# Altium PCB SolderingStation - Using Mux for PUP.PcbDoc (part 2 of 2)
Units mm, origin at the board's own origin, x right, y up, seen from the top; angles counter-clockwise.
Board outline 138.15 x 60.81 mm, 2 copper layers (Top Layer, Bottom Layer), stack 1.671 mm thick; 201 components, 119 nets, 586 pads, 492 vias.
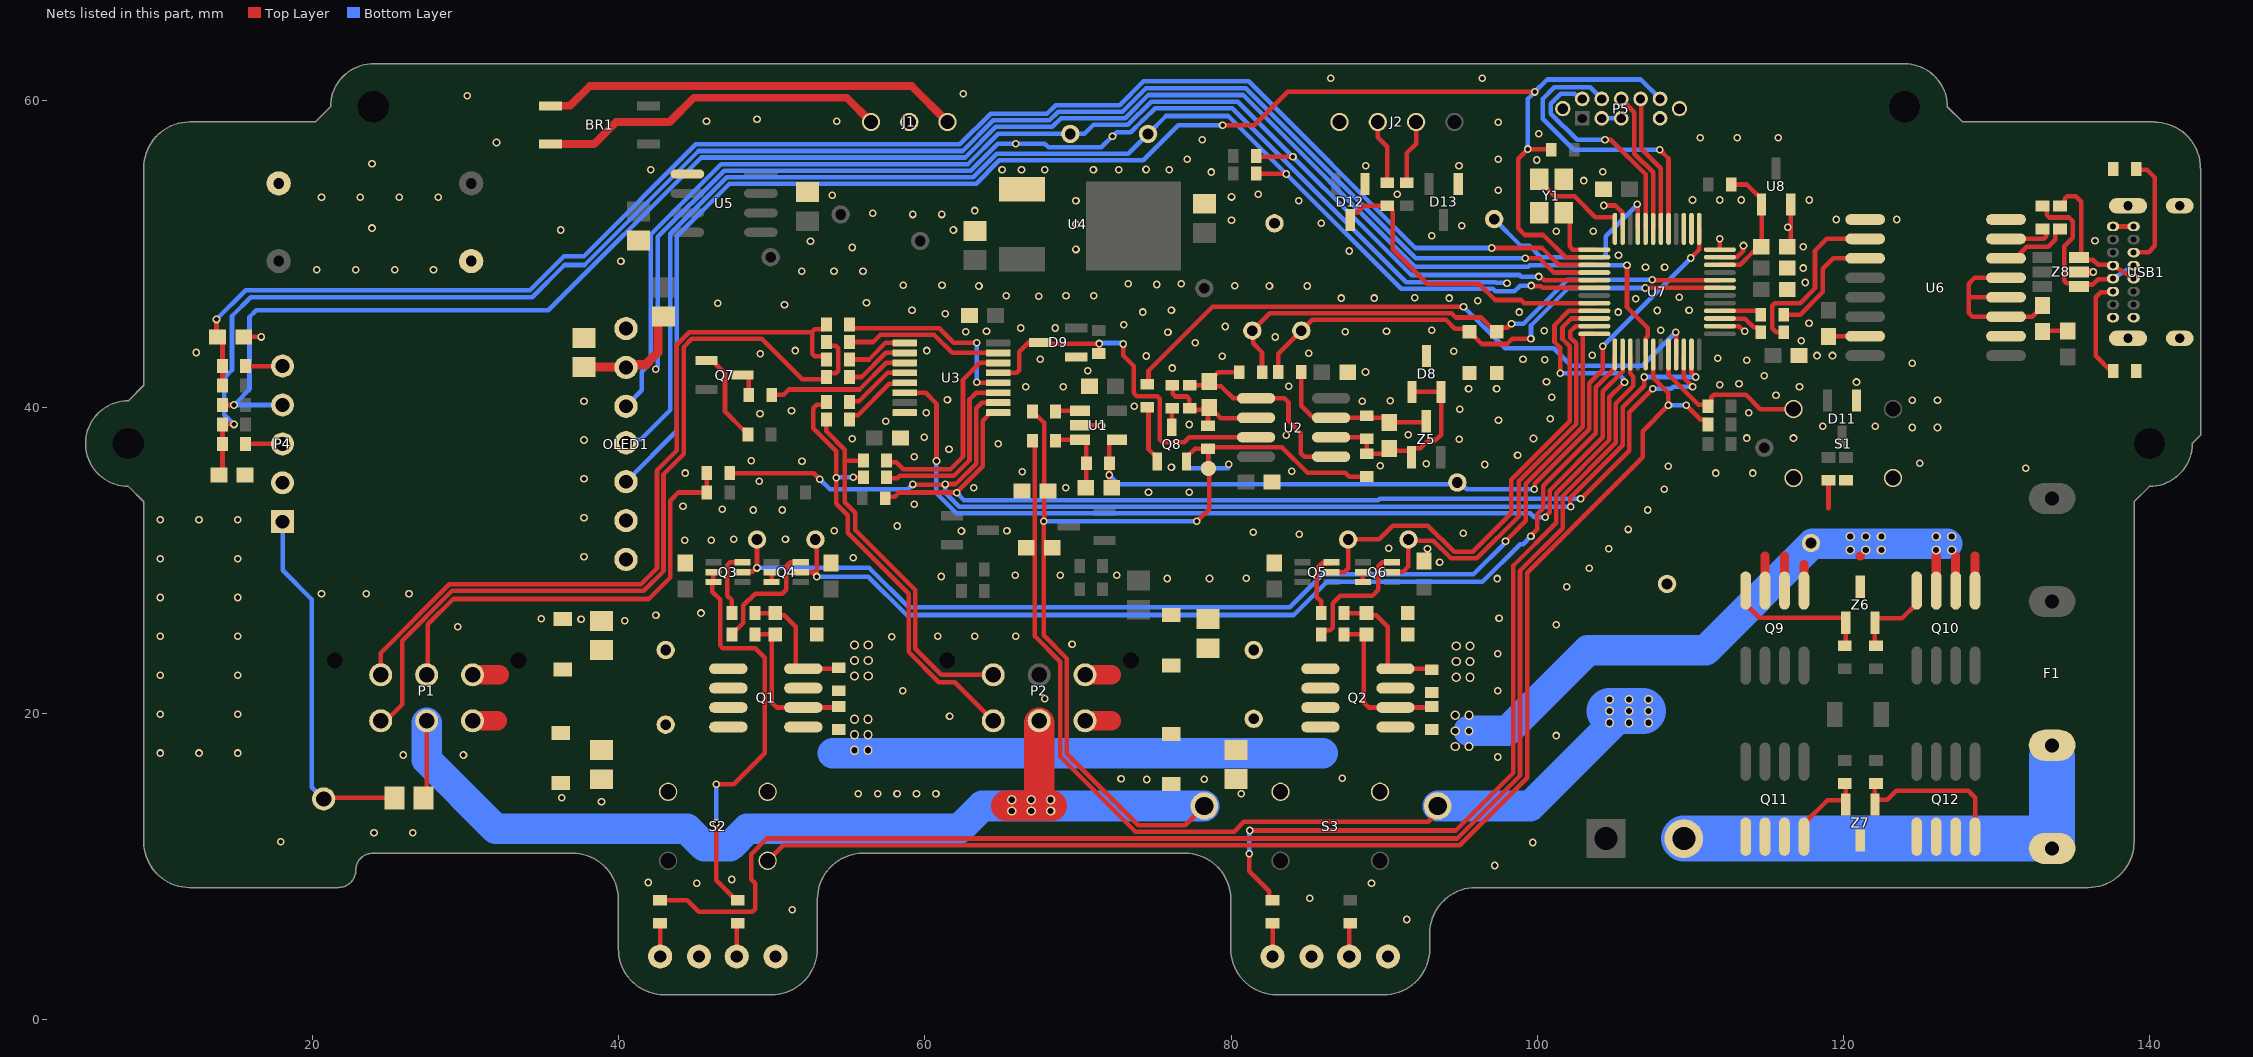
[diagram p2: the nets of this part, all layers, seen from the top]

## Via types
v1: diameter 0.5, hole 0.3, Top Layer to Bottom Layer, tented both sides, 424 vias
v2: diameter 0.6, hole 0.4, Top Layer to Bottom Layer, tented both sides, 67 vias
v3: diameter 0.75, hole 0.3, Top Layer to Bottom Layer, tented both sides, 1 vias

## Nets (pads, with @x,y where several pads share a name; then routed paths per layer and width w, separated by ;. In a path a pad name is that pad's centre, name@x,y a point inside that pad or via, vN(x,y) a via of type N, cw(c..) or ccw(c..) an arc to the next point about the centre after c; other vN are vias at no path point) (continued)
CH1_SEL: R59.1 U7.33 | length 63.3
  Top Layer w0.3: v1(81.19,10.822) 81.19,9.679 82.497,8.372 82.497,7.893 R59.1@82.601,7.789 ; v1(81.215,12.346) 94.677,12.346 98.437,16.105 98.437,29.653 101.223,32.44 101.223,33.038 101.225,33.04 101.225,34.372 104.704,37.851 104.704,40.645 v1(105.689,41.631) ; v1(101.498,42.215) 101.498,43.869 101.117,44.25 101.117,45.354 102.049,46.285 U7.33@103.766,46.285
  Bottom Layer w0.3: v1(81.19,10.822) 81.19,12.32 v1(81.215,12.346) ; v1(101.498,42.215) 105.258,42.215 105.651,41.821 105.651,41.669 v1(105.689,41.631)
CH1a_DRVn: D1a.1 Q5.5 U7.34 | length 32.1
  Top Layer w0.3: Q5.5@86.56,29.211 87.388,29.211 87.642,29.465 87.642,31.37 89.674,31.37 90.563,32.259 92.849,32.259 94.565,30.543 95.771,30.543 98.298,33.071 98.298,35.263 102.102,39.068 102.102,43.982 101.642,44.442 101.642,45.211 102.216,45.785 U7.34@103.716,45.785
CH1a_Htr+: C5.1 D3.K H1a.1 P2.4 Q2.5 Q2.6 | length 1.7
  Top Layer w1.27: P2.4@70.461,22.509 72.183,22.509
CH1a_Thm+: P2.6 R26.2 R31.2 | length 24.4
  Top Layer w0.3: R26.2@53.567,39.194 53.567,38.41 54.741,37.236 ; 54.762,37.214 54.762,36.5 54.762,33.77 55.448,33.084 55.448,31.972 59.367,28.054 59.367,24.212 61.07,22.509 P2.6@64.461,22.509 ; 54.792,36.5 R31.2@55.994,36.5
CH1b_DRVn: D1b.1 Q6.5 U7.35 | length 27.4
  Top Layer w0.3: Q6.5@90.497,29.211 90.524,29.239 91.225,29.239 91.579,29.592 91.579,31.268 93.205,31.268 94.357,30.116 96.046,30.116 98.781,32.851 98.781,35.142 102.529,38.891 102.529,44.159 102.159,44.529 102.159,44.933 102.512,45.285 U7.35@103.716,45.285 ; D1b.1@91.325,31.37 D1b.1@91.427,31.268
CH1b_Htr+: C6.1 D4.K H1b.1 P2.1 Q2.7 Q2.8 | length 1.7
  Top Layer w1.27: P2.1@70.461,19.509 72.183,19.509
CH1b_Thm+: P2.3 R27.2 R32.2 | length 28.7
  Top Layer w0.3: R27.2@53.567,40.337 53.391,40.16 52.943,40.16 52.705,39.923 52.705,38.608 54.204,37.109 v1(54.204,35.382) ; v1@54.21,35.382 54.21,33.687 54.966,32.931 54.966,31.788 58.94,27.814 58.94,24.004 60.908,22.036 61.934,22.036 P2.3@64.461,19.509 ; v1(55.321,35.408) R32.2@55.994,35.408
  Bottom Layer w0.3: v1(54.204,35.382) 54.229,35.408 v1(55.321,35.408)
CH2_ACT: Q3.2 Q3.3 R9.2 | length 26.7
  Top Layer w0.3: Q3.2@46.179,29.211 46.179,28.591 46.113,28.525 46.113,27.941 46.621,27.433 46.621,24.434 46.796,24.258 48.907,24.258 49.542,23.623 49.542,17.4 47.51,15.368 v1(46.367,15.368) ; v1(46.367,12.828) 46.367,9.28 46.38,9.267 46.38,9.085 47.676,7.789 R9.2@47.776,7.789
  Bottom Layer w0.3: v1(46.367,12.828) v1(46.367,15.368)
CH2_BTN: R51.1 S2.2 U7.42 | length 86.9
  Top Layer w0.3: S2.2@49.726,10.367 50.75,11.392 94.931,11.392 99.326,15.786 99.326,29.168 106.883,36.725 106.883,38.43 v1(108.56,40.107) 108.56,40.919 107.566,41.913 U7.42@107.566,43.435 ; v1(109.728,40.107) 110.671,39.163 110.949,39.163 111.149,38.963 R51.1@111.149,38.863
  Bottom Layer w0.3: v1(108.56,40.107) v1(109.728,40.107)
CH2_ID: P1.5 R12.1 R33.1 | length 29.3
  Top Layer w0.3: P1.5@27.456,22.509 27.537,22.591 27.537,25.811 29.188,27.462 41.95,27.462 43.353,28.865 43.353,33.879 43.893,34.418 R12.1@45.744,34.418 R33.1@45.744,35.688
CH2_SB: D12.3 R56.1 U7.32 | length 20.7
  Top Layer w0.3: D12.3@87.781,52.269 87.781,52.544 87.931,52.694 88.206,52.694 88.664,53.152 90.294,53.152 90.494,52.952 90.494,52.846 90.563,52.777 90.563,50.293 92.796,48.06 96.181,48.06 97.25,46.991 98.945,46.991 99.151,46.785 U7.32@103.766,46.785
CH2_SEL: R63.2 U7.39 | length 93.3
  Top Layer w0.3: R63.2@42.696,7.789 44.486,7.789 45.236,7.039 48.731,7.039 48.907,7.215 48.907,8.891 48.653,9.145 48.653,10.796 49.675,11.819 94.754,11.819 98.864,15.928 98.864,29.31 101.65,32.096 101.65,32.862 101.652,32.864 101.652,34.193 105.131,37.671 105.131,40.234 106.274,41.377 106.274,41.986 106.066,42.194 U7.39@106.066,43.435
CH2a_DRVn: D2a.1 Q3.5 U7.36 | length 71.3
  Top Layer w0.3: Q3.5@48.079,29.211 48.129,29.261 48.758,29.261 48.987,29.491 v1(49.034,29.491) D2a.1@49.034,31.345 D2a.1@49.034,31.624 ; v1(97.917,31.242) 99.238,32.563 99.238,34.995 102.956,38.714 102.956,42.259 102.966,42.268 102.966,44.785 U7.36@103.716,44.785
  Bottom Layer w0.3: v1(49.034,29.491) 56.374,29.491 58.94,26.925 83.832,26.925 85.985,29.079 95.83,29.079 v1@97.955,31.204
CH2a_Htr+: C3.1 D1.K H2a.1 P1.4 Q1.5 Q1.6 | length 1.7
  Top Layer w1.27: P1.4@30.471,22.514 32.193,22.514
CH2a_Thm+: P1.6 R22.2 R28.2 | length 49.8
  Top Layer w0.3: P1.6@24.456,22.509 24.456,23.937 28.936,28.418 41.454,28.418 42.499,29.463 42.499,35.87 43.79,37.16 43.79,44.069 44.604,44.883 52.594,44.883 52.629,44.918 ; R22.2@53.567,43.105 R22.2@53.567,43.105 53.367,43.307 52.805,43.307 52.629,43.483 52.629,44.918 ; R28.2@53.567,45.391 53.567,45.294 53.367,45.094 52.805,45.094 52.629,44.918
CH2b_DRVn: D2b.1 Q4.5 U7.37 | length 67.7
  Top Layer w0.3: Q4.5@51.939,29.261 Q4.5@51.889,29.211 52.651,29.211 v1(52.934,28.928) 52.934,31.255 D2b.1@52.844,31.345 ; v1(99.579,31.555) 99.579,31.609 99.99,32.02 99.99,33.013 100.371,33.394 100.371,34.862 103.81,38.301 103.81,41.301 105.045,42.535 105.066,42.535 U7.37@105.066,43.435
  Bottom Layer w0.3: v1(52.934,28.928) 56.302,28.928 58.813,26.417 84.086,26.417 86.245,28.576 96.41,28.576 98.883,31.049 99.073,31.049 v1(99.579,31.555)
CH2b_Htr+: C4.1 D2.K H2b.1 P1.1 Q1.7 Q1.8 | length 1.7
  Top Layer w1.27: P1.1@30.344,19.514 32.066,19.514
CH2b_Thm+: P1.3 R24.2 R30.2 | length 54.2
  Top Layer w0.3: P1.3@24.456,19.509 24.78,19.509 25.16,19.889 25.173,19.889 25.857,20.574 25.857,24.735 29.113,27.991 41.631,27.991 42.926,29.286 42.926,35.611 44.247,36.932 44.247,43.922 44.774,44.45 49.352,44.45 51.992,41.81 R24.2@53.567,41.81 ; R30.2@53.567,44.248 53.567,44.214 53.767,44.014 54.169,44.014 54.345,43.838 54.345,42.372 54.169,42.196 53.767,42.196 53.568,41.998 R24.2@53.568,41.961
COM: C9.1 C11.1 L2.2 NT1.2 P1.2 P2.2 Q8.2 R11.2 R16.2 R18.2 R29.1 | length 132.3
  Top Layer w0.254: R16.2@78.117,13.819 R16.2@78.244,13.946
  Top Layer w0.3: L2.2@27.063,14.54 27.251,14.352 27.456,14.557 P1.2@27.456,19.382 ; R11.2@67.283,39.475 67.779,38.979 67.779,32.615 67.753,32.59 v1(67.753,32.531) 67.753,25.097 69.273,23.577 69.273,17.354 73.93,12.697 76.994,12.697 R16.2@78.117,13.819 ; Q8.2@77.074,36.442 77.074,36.717 77.635,37.277 R29.1@78.484,37.277 78.591,37.384 83.316,37.384 84.988,35.712 87.44,35.712 87.706,35.446 R18.2@88.492,35.446 ; v1(77.761,32.531) 78.556,33.326 NT1.2@78.556,35.984 ; NT1.2@78.511,35.992 R29.1@78.511,37.277
  Top Layer w2: 65.307,13.971 68.287,13.971 ; 67.461,14.366 P2.2@67.461,19.382
  Bottom Layer w0.3: v1(67.753,32.531) v1(77.761,32.531)
  Bottom Layer w2: P1.2@27.456,19.382 27.456,16.959 31.968,12.447 44.462,12.447 45.602,11.307 47.259,11.307 48.399,12.447 62.242,12.447 63.74,13.946 R16.2@78.244,13.946
  other v2: 65.671,13.616 66.941,13.616 68.211,13.616 65.671,14.352 66.941,14.352 68.211,14.352
EARTH: ER.1 L2.1 P4.1 | length 23.9
  Top Layer w0.3: ER.1@20.725,14.405 20.799,14.479 L2.1@25.351,14.479
  Bottom Layer w0.3: P4.1@18.046,32.513 18.046,29.338 19.951,27.433 19.951,15.179 ER.1@20.725,14.405
EXTAL: U7.24 Y1.3 | length 6.8
  Top Layer w0.3: Y1.3@100.116,54.885 100.116,54.785 101.126,53.775 102.424,53.775 103.791,52.408 105.044,52.408 105.066,52.387 U7.24@105.066,51.635
EXTAL32: U7.15
GAIN: R37.2 U7.45 | length 41
  Top Layer w0.3: R37.2@74.6,41.492 74.6,42.367 78.781,46.549 v1@95.164,46.549 ; v1(109.042,44.882) 109.066,44.858 U7.45@109.066,43.435
  Bottom Layer w0.3: v1(95.174,46.558) 97.892,43.84 101.067,43.84 102.21,42.697 106.858,42.697 v1(109.042,44.882)
GND: C1.2 C2.2 C3.2 C4.2 C5.2 C6.2 C7.2 C8.2 C10.2 C11.2 C12.2 C13.2 C14.2 C15.2 C16.1 C17.2 C18.1 C19.1 C20.1 C21.1 C24.1 C25.1 C26.1 C27.1 C28.1 C29.1 C30.1 C31.1 C32.1 D1.A D2.A D3.A D4.A D5.K D6.K D7.A D8.3 D9.1 D10.A D11.1 D12.1 D13.1 D14.K D15.K Gnd.1 J1.2 J2.4 NT1.1 OLED1.1 OLED1.2 OLED1.7 P4.2 P5.0 P5.3 P5.5 P5.9 R39.1 S1.1 S1.1b S2.1 S2.1b S3.1 S3.1b U1.2 U3.8 U4.1 U5.5 U6.9 U6.15 U7.2 U7.11 U7.12 U7.23 U8.2 Y1.2 Y1.4 | length 95.2
  Top Layer w0.254: C2.2@92.595,29.934 92.823,30.163 v1(92.823,30.741)
  Top Layer w0.3: C27.1@15.506,44.578 v1(16.649,44.578) ; C3.2@38.744,26.151 C3.2@38.874,26.021 ; U1.2@70.135,38.813 v1@71.526,38.813 ; C10.2@70.753,41.351 70.77,41.351 C10.2@71.12,41.001 ; v1(104.343,53.162) 105.093,53.162 105.566,52.689 U7.23@105.566,51.635 ; C32.1@104.412,53.891 C32.1@104.412,54.073 ; P5.9@108.014,58.853 P5.9@108.012,58.855 P5.9@108.036,58.855 ; P5.0@109.282,59.289 P5.0@109.282,59.49 ; U7.2@111.866,45.285 U7.2@111.916,45.285 113.153,45.285 113.44,44.998 113.511,44.998 v1(113.55,44.959) ; U7.11@111.916,49.785 113.031,49.785 113.432,50.186 113.432,50.516 v1(113.462,50.546) ; U7.12@111.916,50.285 v1(111.916,51) ; C29.1@116.317,50.473 116.544,50.7 U8.2@116.544,53.235 U8.2@116.544,53.285 ; C25.1@117.079,43.361 C25.1@117.245,43.527 ; C24.1@119.011,44.631 U6.15@121.408,44.631 U6.15@121.889,44.631
  Top Layer w0.6: P4.2@17.802,35.053 P4.2@18.046,35.053
  Bottom Layer w0.3: v1(42.417,42.47) 42.417,42.524 42.557,42.664 42.557,51.12 46.88,55.443 62.987,55.443 64.748,57.204 v1(65.937,57.204) 67.825,57.204 68.067,56.962 71.527,56.962 v1(72.249,57.685) 72.269,57.685 72.525,57.94 73.433,57.94 74.209,58.716 74.235,58.716 75.044,59.525 80.061,59.525 91.432,48.154 97.275,48.154 97.316,48.112 97.999,48.112 v1(98.016,48.095) ; 77.394,35.992 NT1.1@78.511,35.992 ; NT1.1@78.511,35.789 NT1.1@78.511,35.992 ; 78.511,36.855 NT1.1@78.511,35.992 ; 79.807,35.992 79.629,35.992 NT1.1@78.511,35.992 ; P5.3@104.202,58.855 P5.5@105.472,58.855 ; P5.9@108.012,58.855 P5.9@108.036,58.855
  other v1: 91.464,6.531 51.332,7.166 85.127,7.926 45.097,8.891 89.166,8.891 41.934,8.944 47.383,9.145 97.217,10.06 99.707,11.558 17.931,11.611 24.015,12.193 26.555,12.193 38.874,14.225 36.283,14.479 55.638,14.733 56.908,14.733 58.178,14.733 59.448,14.733 60.718,14.733 80.657,14.733 74.484,15.673 78.244,15.699 72.808,15.724 87.261,15.749 97.421,17.146 25.92,17.273 29.857,17.273 10.045,17.4 12.585,17.4 15.125,17.4 101.231,18.543 61.607,19.813 10.045,19.94 15.125,19.94 67.83,20.956 58.559,21.464 97.421,21.464 10.045,22.48 15.125,22.48 97.421,23.877 69.608,24.512 57.836,24.994 10.045,25.02 15.125,25.02 60.845,25.02 63.258,25.02 65.925,25.02 29.476,25.655 101.231,25.782 40.398,26.036 34.937,26.163 37.539,26.151 97.497,26.214 42.43,26.392 45.376,26.544 10.045,27.56 15.125,27.56 20.586,27.814 23.507,27.814 26.301,27.814 101.916,28.272 75.819,28.804 78.588,28.804 97.377,28.798 80.975,28.829 61.062,28.931 65.899,29.008 68.846,29.008 72.529,29.008 103.39,29.465 93.611,29.872 10.045,30.1 15.125,30.1 55.321,30.15 37.731,30.227 104.66,30.735 90.283,30.786 44.323,31.293 46.05,31.293 47.51,31.37 50.888,31.37 84.455,31.699 95.148,31.75 81.432,31.826 62.382,31.902 54.077,31.928 65.354,31.928 105.93,32.005 58.191,32.233 10.045,32.64 12.585,32.64 15.125,32.64 37.731,32.767 48.78,33.275 50.685,33.275 107.2,33.275 46.761,33.325 44.196,33.528 59.309,33.655 74.6,34.442 77.267,34.442 108.28,34.62 63.195,34.722 69.19,34.722 49.174,35.154 37.731,35.307 44.335,35.688 111.645,35.688 114.058,35.688 66.345,35.763 83.947,35.814 131.888,35.995 76.098,36.068 108.541,36.125 89.738,36.17 96.571,36.246 79.832,36.271 92.735,36.297 124.98,36.323 51.968,36.449 48.666,36.5 59.309,36.754 98.704,36.855 61.57,37.236 64.795,37.592 37.731,37.847 94.894,37.897 55.245,37.922 99.746,37.948 113.677,37.974 116.725,37.974 59.944,38.024 83.591,38.151 91.567,38.202 124.484,38.662 126.135,38.662 118.63,38.736 122.059,38.736 71.526,38.786 77.267,38.862 57.429,39.065 97.46,39.141 100.838,39.243 49.225,39.573 60.083,39.625 113.804,39.625 51.283,39.751 94.92,39.853 73.66,40.056 37.731,40.387 88.57,40.386 90.399,40.411 124.484,40.44 126.135,40.44 61.468,40.488 100.94,40.64 115.582,40.768 95.504,41.199 97.333,41.199 66.573,41.326 69.037,41.326 117.118,41.329 83.769,41.351 111.911,41.456 113.169,41.53 120.839,41.632 100.596,41.657 114.82,42.038 88.773,42.291 70.637,42.367 76.149,42.545 124.484,42.853 113.677,43.054 100.482,43.078 67.539,43.129 99.06,43.129 111.772,43.181 79.426,43.307 74.447,43.332 118.261,43.361 119.277,43.361 103.581,43.383 49.251,43.485 85.065,43.51 12.403,43.562 94.539,43.637 51.537,43.688 60.108,43.689 77.648,44.196 117.233,44.324 82.88,44.577 75.87,44.882 62.662,44.907 87.452,44.907 64.02,44.959 90.145,44.958 100.457,44.983 93.091,45.009 108.052,45.009 66.255,45.163 68.504,45.161 79.604,45.263 72.974,45.364 117.741,45.467 61.316,46.102 74.219,46.203 98.806,46.203 105.283,46.203 107.823,46.304 59.157,46.33 76.098,46.33 109.906,46.33 50.825,46.685 46.457,46.787 56.185,46.812 96.114,46.939 106.426,47.066 87.198,47.117 89.339,47.118 94.234,47.117 91.999,47.142 109.271,47.168 67.437,47.244 65.303,47.269 69.215,47.269 71.018,47.269 63.525,47.904 82.499,47.904 84.963,47.904 80.239,47.93 58.572,47.955 61.112,47.955 75.133,48.006 73.279,48.057 76.733,48.057 117.487,48.134 51.961,48.87 54.061,48.87 55.956,48.87 20.281,48.973 22.821,48.973 25.361,48.973 27.901,48.973 117.372,49.076 107.061,49.124 108.306,49.124 40.144,49.531 105.295,49.912 87.706,50.19 69.862,50.293 55.257,50.42 117.372,50.473 52.527,50.825 93.103,51.182 101.243,51.489 103.656,51.489 36.207,51.563 61.861,51.563 23.888,51.69 116.356,51.743 95.058,51.843 69.862,51.944 85.89,52.006 80.022,52.198 119.531,52.251 123.468,52.251 59.194,52.579 61.099,52.579 56.591,52.654 63.258,52.833 69.862,53.468 84.417,53.48 110.133,53.521 111.911,53.521 113.308,53.521 117.753,53.521 20.586,53.697 23.126,53.697 25.666,53.697 28.206,53.697 80.022,53.722 53.95,53.823 81.774,53.9 90.842,53.9 97.433,54.156 103.021,54.791 78.701,55.348 104.279,55.373 42.085,55.489 65.036,55.5 66.306,55.5 67.83,55.5 71.005,55.5 72.656,55.5 74.441,55.512 75.958,55.5 88.785,55.754 94.881,55.754 23.888,55.881 99.961,56.135 77.126,56.186 97.433,56.188 32.016,57.278 78.117,57.456 110.641,57.585 113.054,57.585 115.721,57.585 100.1,57.839 97.433,58.601 45.732,58.675 54.241,58.675 49.034,58.802 30.111,60.326 62.496,60.453 86.499,61.469 96.405,61.469
Gnd_USB: C22.1 C23.1 R52.2 R55.2 U6.2 U6.8 USB1.A1 USB1.A12 USB1.B1 USB1.B12 USB1.SH Z8.2 | length 4.7
  Top Layer w0.3: C23.1@132.7,44.631 C23.1@132.993,44.924 ; C23.1@132.993,44.877 133.089,44.973 C22.1@134.644,44.973 ; USB1.A12@137.596,51.792 USB1.B1@138.945,51.792
  Top Layer w0.508: C23.1@132.747,44.631 C23.1@132.993,44.877 ; Z8.2@135.374,48.822 v1(136.295,48.822)
  other v1: 136.422,50.854
HIGH_G_AMP: D7.K HGA.1 R17.1 U7.7 | length 33.6
  Top Layer w0.3: R17.1@83.07,42.291 83.07,43.471 85.293,45.695 94.031,45.695 94.615,45.11 95.375,45.11 96.366,44.12 98.019,44.12 98.35,44.451 v1(99.58,44.451) ; v1(107.036,47.777) 107.044,47.785 U7.7@111.866,47.785
  Bottom Layer w0.3: v1(99.58,44.451) v1(99.58,44.451) 99.582,45.326 102.033,47.777 v1(107.036,47.777)
HIGH_G_IN: C35.2 R25.2 R34.2 U2.1 U2.5 | length 15.1
  Top Layer w0.3: R34.2@77.292,41.415 78.31,41.415 C35.2@78.562,41.668 ; R25.2@80.53,42.266 79.16,42.266 78.962,42.068 78.912,42.068 78.562,41.718 C35.2@78.562,41.668 ; U2.5@86.53,36.757 84.782,36.757 84.557,36.982 84.557,38.286 83.744,39.099 83.744,40.31 83.486,40.567 U2.1@81.63,40.567 80.133,40.567 79.336,41.364 78.866,41.364 C35.2@78.562,41.668
LOW_G_AMP: D10.K LGA.1 R25.1 U7.8 | length 35.9
  Top Layer w0.3: R25.1@82.03,42.266 82.017,42.279 82.017,43.586 81.443,44.16 81.443,44.926 LGA.1@81.384,44.985 82.52,46.122 94.391,46.122 94.666,45.847 96.341,45.847 96.973,45.215 97.048,45.215 97.214,45.05 97.214,44.915 97.466,45.168 98.032,45.168 98.306,45.442 v1(98.308,45.442) ; v1(107.493,48.312) 107.52,48.285 111.016,48.285 U7.8@111.866,48.285
  Bottom Layer w0.3: v1(98.308,45.442) 99.094,45.442 101.964,48.312 v1(107.493,48.312)
LOW_G_IN: D9.3 R21.1 U2.3 U3.13 | length 24.2
  Top Layer w0.3: U3.13@64.784,42.236 65.991,42.236 66.167,42.412 66.167,43.62 66.782,44.235 ; D9.3@67.532,44.221 67.608,44.145 v1(71.374,44.145) 71.374,43.522 R21.1@71.349,43.497 ; v1(72.949,44.12) 72.949,43.368 73.635,42.682 73.635,40.919 73.838,40.716 75.161,40.716 75.336,40.54 75.336,37.88 75.512,37.704 76.942,37.704 77.265,38.027 U2.3@81.63,38.027
  Bottom Layer w0.3: v1(71.374,44.145) 71.412,44.183 72.831,44.183 72.895,44.12 v1(72.949,44.12)
MUX_En: U3.6 U7.38 | length 61.3
  Top Layer w0.3: U3.6@58.784,40.936 60.042,40.936 60.757,40.221 v1(60.757,36.474) ; v1(100.517,32.795) 100.517,32.849 100.798,33.13 100.798,34.549 104.267,38.018 104.267,41.021 105.566,42.32 U7.38@105.566,43.435
  Bottom Layer w0.3: v1(60.757,36.474) 60.731,36.449 60.731,34.388 62.061,33.058 99.528,33.058 99.791,32.795 v1(100.517,32.795)
MUX_SEL0/ID1: R36.2 U3.9 U7.46 | length 66.7
  Top Layer w0.3: R36.2@57.404,34.037 57.508,34.142 58.028,34.142 58.305,34.418 62.05,34.418 v1(62.07,34.398) ; v1@62.043,34.398 63.766,36.121 63.766,39.11 64.134,39.478 64.134,39.561 64.209,39.636 U3.9@64.684,39.636 ; v1(102.819,34.011) 102.855,34.011 105.994,37.15 105.994,39.649 v1(107.539,41.194) ; U7.46@109.566,43.435 109.566,41.895 v1(110.134,41.326)
  Bottom Layer w0.3: v1(62.07,34.398) 62.553,33.915 89.611,33.915 89.706,34.011 v1(102.819,34.011) ; v1(107.539,41.194) 108.744,41.194 108.875,41.326 v1@110.08,41.326 ; v1(110.134,41.326) v1@110.08,41.326 ; v1@110.171,41.336 110.091,41.336 v1@110.08,41.326
MUX_SEL1/ID2: R33.2 U3.10 U7.47 | length 79.7
  Top Layer w0.3: R33.2@47.244,35.688 52.729,35.688 v1(53.137,35.281) ; v1(59.194,34.945) 59.214,34.925 61.295,34.925 v1(61.316,34.945) ; v1@61.326,34.935 61.366,34.975 62.016,34.975 63.338,36.297 63.338,39.91 63.715,40.286 U3.10@64.784,40.286 ; v1(102.179,33.477) 102.141,33.515 102.141,34.063 102.133,34.07 105.562,37.499 105.562,39.98 106.985,41.402 v1(106.985,41.961) ; U7.47@110.066,43.435 110.066,42.237 110.338,41.965 v1(110.338,41.961)
  Bottom Layer w0.3: v1(53.137,35.281) 53.797,34.62 58.868,34.62 v1(59.194,34.945) ; v1(61.316,34.945) 61.316,34.407 62.238,33.485 102.171,33.485 v1(102.179,33.477) ; v1(106.985,41.961) v1(110.338,41.961) v1@110.363,41.961
NetBR1_3: BR1.3 J1.1 | length 27.4
  Top Layer w0.508: BR1.3@35.547,59.671 36.822,59.671 38.112,60.961 59.132,60.961 J1.1@61.476,58.617
NetBR1_4: BR1.4 J1.3 | length 22.8
  Top Layer w0.508: BR1.4@35.547,57.171 38.386,57.171 39.832,58.617 43.319,58.617 44.901,60.199 54.894,60.199 J1.3@56.476,58.617
NetC31_2: C31.2 L3.2 OLED1.6 | length 7.9
  Top Layer w0.6: C31.2@37.731,42.612 40.449,42.612 OLED1.6@40.476,42.585 40.652,42.762 41.751,42.762 42.557,43.568 42.557,45.691 42.907,46.041 L3.2@42.938,46.041
NetC33_1: C33.1 R14.1 R15.1 U1.3 | length 4.6
  Top Layer w0.3: R14.1@68.783,37.797 68.849,37.863 U1.3@70.135,37.863 70.348,37.863 70.548,37.663 R15.1@70.548,36.322 70.548,35 C33.1@70.499,34.95
NetC34_1: C34.1 D8.1 D8.2 R18.1 R19.1 U2.6 Z5.1 | length 14.2
  Top Layer w0.3: U2.6@86.48,38.027 U2.6@86.522,37.985 ; U2.6@86.53,38.027 88.746,38.027 88.861,37.912 R18.1@88.861,36.958 90.428,36.958 C34.1@90.428,37.187 ; C34.1@90.322,37.301 90.476,37.147 91.785,37.147 91.935,37.297 92.364,37.297 92.913,37.846 93.37,37.846 93.711,38.186 D8.2@93.711,40.989 D8.1@91.811,40.989 ; Z5.1@91.785,36.722 Z5.1@91.785,37.102
NetC34_2: C34.2 R17.2 R19.2 U2.7 Z5.3 | length 10.9
  Top Layer w0.3: R17.2@84.57,42.291 84.57,40.082 85.297,39.355 86.422,39.355 86.48,39.297 C34.2@90.526,39.297 ; C34.2@90.322,39.001 92.664,39.001 Z5.3@92.735,39.072
NetC35_1: C35.1 R29.2 R34.1 R35.1 U2.2 | length 7.1
  Top Layer w0.3: R35.1@76.149,41.415 76.176,41.389 76.176,40.867 76.352,40.691 77.116,40.691 77.268,40.54 77.268,39.94 R34.1@77.292,39.915 ; R34.1@77.446,39.816 78.482,39.816 C35.1@78.484,39.817 ; R29.2@78.484,38.777 C35.1@78.484,39.817 ; U2.2@80.848,39.278 79.315,39.278 78.975,39.617 78.684,39.617 C35.1@78.484,39.817
NetD5_A: D5.A R9.1 | length 2.3
  Top Layer w0.3: D5.A@47.766,4.177 D5.A@47.706,4.117 47.706,6.219 R9.1@47.776,6.289
NetD6_A: D6.A R10.1 | length 2.4
  Top Layer w0.3: R10.1@87.781,6.289 87.706,6.214 D6.A@87.706,4.117 D6.A@87.858,4.269
NetD14_A: D14.A R59.2 | length 2.3
  Top Layer w0.3: R59.2@82.701,6.289 82.706,6.284 D14.A@82.706,4.117 D14.A@82.792,4.203
NetD15_A: D15.A R63.1 | length 2.2
  Top Layer w0.3: R63.1@42.696,6.289 42.706,6.279 D15.A@42.706,4.117 D15.A@42.726,4.137
NetF1_1: F1.1 F1.1a P3.2 | length 28.9
  Bottom Layer w3: P3.2@109.562,11.812 F1.1@132.981,11.812 ; F1.1@133.616,11.685 F1.1a@133.616,17.146
NetJ2_2: J2.2 R53.2 | length 4.2
  Top Layer w0.3: R53.2@91.464,54.652 91.464,56.589 92.079,57.204 J2.2@92.079,58.617
NetJ2_3: J2.3 R56.2 | length 4.2
  Top Layer w0.3: J2.3@89.579,58.617 89.579,57.627 90.194,57.012 R56.2@90.194,54.652
NetP4_3: P4.3 R65.1 | length 2.4
  Top Layer w0.3: R65.1@15.621,37.593 P4.3@18.046,37.593
NetP4_5: P4.5 R64.1 | length 2.4
  Top Layer w0.3: R64.1@15.621,42.673 P4.5@18.046,42.673
NetQ1_2: Q1.2 R2.1 R6.2 Z2.A | length 9.8
  Top Layer w0.3: R6.2@48.895,25.147 49.968,25.147 Z2.A@49.972,25.143 ; Z2.A@49.988,25.143 49.988,20.702 50.316,20.374 52.007,20.374 54.052,20.374 R2.1@54.114,20.436
NetQ1_4: Q1.4 R1.1 R5.2 Z1.A | length 7.8
  Top Layer w0.3: R5.2@48.895,26.544 48.899,26.54 Z1.A@49.972,26.54 ; Z1.A@50.037,26.413 50.808,26.413 51.566,25.655 Q1.4@51.566,22.914 ; Q1.4@52.007,22.914 54.052,22.914 R1.1@54.114,22.976
NetQ2_2: Q2.2 R4.1 R8.2 Z4.A | length 21.8
  Top Layer w0.3: R4.1@92.849,20.436 92.787,20.374 Q2.2@90.677,20.374 ; Z4.A@88.638,25.147 88.642,25.143 Z4.A@88.638,25.147 ; Z4.A@88.638,25.147 87.565,25.147 Z4.A@88.638,25.147 ; 88.658,20.702 88.986,20.374 ; 88.658,20.702 88.658,25.143 88.658,20.702 ; 88.658,20.702 88.986,20.374 ; 88.986,20.374 Q2.2@90.677,20.374 ; 88.986,20.374 Q2.2@90.677,20.374 ; Q2.2@90.677,20.374 R4.1@92.722,20.374 ; Q2.2@90.677,20.374 R4.1@92.722,20.374 ; R4.1@92.722,20.374 92.784,20.436 R4.1@92.722,20.374
NetQ2_4: Q2.4 R3.1 R7.2 Z3.A | length 17.8
  Top Layer w0.3: R3.1@92.849,22.849 92.784,22.914 Q2.4@90.677,22.914 ; R7.2@87.569,26.54 88.642,26.54 R7.2@87.569,26.54 ; R7.2@87.569,26.54 87.565,26.544 R7.2@87.569,26.54 ; 89.478,26.413 88.707,26.413 89.478,26.413 ; 89.478,26.413 90.236,25.655 ; 89.478,26.413 90.236,25.655 ; 90.236,25.655 90.236,22.914 90.236,25.655 ; Q2.4@90.677,22.914 R3.1@92.722,22.914 ; Q2.4@90.677,22.914 R3.1@92.722,22.914 ; R3.1@92.722,22.914 92.784,22.976 R3.1@92.722,22.914
NetQ3_6: Q3.6 R5.1 | length 4.3
  Top Layer w0.3: R5.1@47.395,26.544 47.395,27.383 47.092,27.686 47.092,29.686 47.267,29.861 Q3.6@48.079,29.861
NetQ4_2: Q4.2 Q4.3 | length 0.6
  Top Layer w0.3: Q4.3@49.989,28.561 Q4.2@49.989,29.211
NetQ4_6: Q4.6 R6.1 | length 8.1
  Top Layer w0.3: R6.1@47.395,25.147 47.395,25.247 47.595,25.447 47.695,25.447 48.145,25.897 48.145,27.052 48.907,27.814 50.685,27.814 50.939,28.068 50.939,29.592 51.208,29.861 Q4.6@51.889,29.861
NetQ5_6: Q5.6 R7.1 | length 4.2
  Top Layer w0.3: R7.1@85.876,26.544 85.876,27.307 85.598,27.584 85.598,29.454 85.956,29.811 86.51,29.811 Q5.6@86.56,29.861
NetQ6_2: Q6.2 Q6.3 | length 0.6
  Top Layer w0.3: Q6.3@88.597,28.561 Q6.2@88.597,29.211
NetQ6_6: Q6.6 R8.1 | length 8.5
  Top Layer w0.3: R8.1@85.876,25.147 85.876,25.21 86.076,25.41 86.45,25.41 86.626,25.585 86.626,27.179 87.134,27.687 89.228,27.687 89.609,28.068 89.609,29.592 89.878,29.861 Q6.6@90.559,29.861
NetQ7_1: Q7.1 R20.2 | length 6.3
  Top Layer w0.3: Q7.1@45.739,43.038 46.164,43.038 46.314,42.888 46.314,42.84 46.939,42.215 46.939,39.7 46.951,39.7 48.15,38.502 48.25,38.502 48.45,38.302 48.45,38.278 R20.2@48.45,38.202
NetQ7_3: Q7.3 R23.1 | length 1.6
  Top Layer w0.3: Q7.3@48.089,42.088 48.351,42.088 48.501,41.938 R23.1@48.501,40.792
NetQ8_1: Q8.1 R37.1 | length 3.8
  Top Layer w0.3: R37.1@74.6,39.992 74.6,37.236 74.97,36.867 75.024,36.867 75.174,36.717 Q8.1@75.174,36.442
NetQ8_3: Q8.3 R35.2 | length 1.2
  Top Layer w0.3: Q8.3@76.124,38.692 76.124,39.89 R35.2@76.149,39.915
NetQ9_4: Q9.4 R40.2 Z6.1 | length 9.4
  Top Layer w0.3: Q9.4@113.6,27.965 113.6,27.113 114.482,26.23 119.97,26.23 120.143,26.057 120.143,25.964 120.143,24.603 R40.2@120.077,24.537
NetQ10_4: Q10.4 R41.2 Z6.2 | length 5.5
  Top Layer w0.3: R41.2@122.109,24.537 122.043,24.603 122.043,25.964 122.043,26.027 122.216,26.2 123.811,26.2 124.776,27.165 Q10.4@124.776,27.965
NetQ11_4: Q11.4 R42.1 Z7.2 | length 5.1
  Top Layer w0.3: Q11.4@117.41,12.789 118.949,14.329 119.97,14.329 120.143,14.156 120.143,13.99 120.143,15.351 R42.1@120.077,15.417
NetQ12_4: Q12.4 R43.1 Z7.1 | length 10.9
  Top Layer w0.3: Z7.1@122.043,13.99 Z7.1@122.043,14.265 ; R43.1@122.043,15.351 Z7.1@122.043,14.265 ; 128.586,14.492 128.139,14.939 123.432,14.939 122.848,14.355 122.132,14.355 Z7.1@122.043,14.265 ; Q12.4@128.586,11.989 128.586,14.492
NetR11_1: R11.1 U1.1 | length 1.4
  Top Layer w0.3: R11.1@68.783,39.702 68.844,39.763 U1.1@70.135,39.763
NetR22_1: R22.1 U3.1 | length 3.8
  Top Layer w0.3: R22.1@55.067,43.105 56.345,43.105 57.427,44.186 U3.1@58.403,44.186
NetR23_2: R23.2 U3.3 | length 9.6
  Top Layer w0.3: R23.2@50.001,40.792 50.76,40.792 51.116,41.148 55.728,41.148 57.466,42.886 U3.3@58.684,42.886
NetR24_1: R24.1 U3.2 | length 4
  Top Layer w0.3: R24.1@55.067,41.962 55.859,41.962 57.434,43.536 U3.2@58.403,43.536
NetR26_1: R26.1 U3.5 | length 4.7
  Top Layer w0.3: R26.1@55.067,39.194 55.067,39.271 55.267,39.471 55.626,39.471 57.666,41.511 58.609,41.511 U3.5@58.684,41.586
NetR27_1: R27.1 U3.4 | length 4.4
  Top Layer w0.3: R27.1@55.067,40.337 55.105,40.375 55.691,40.375 57.553,42.236 U3.4@58.684,42.236
NetR28_1: R28.1 U3.12 | length 12.8
  Top Layer w0.3: R28.1@55.067,45.391 55.067,45.336 55.267,45.136 60.935,45.136 61.874,44.196 v1(63.373,44.196) ; v1(63.373,41.631) 63.417,41.586 U3.12@64.784,41.586
  Bottom Layer w0.3: v1(63.373,41.631) v1(63.373,44.196)
NetR30_1: R30.1 U3.15 | length 10.4
  Top Layer w0.3: R30.1@55.067,44.248 56.618,44.248 57.079,44.709 60.613,44.709 61.785,43.536 U3.15@64.784,43.536
NetR31_1: R31.1 U3.14 | length 13.3
  Top Layer w0.3: R31.1@57.494,36.5 57.594,36.4 58.118,36.4 58.577,35.941 61.671,35.941 62.484,36.754 62.484,41.783 63.587,42.886 U3.14@64.784,42.886
NetR32_1: R32.1 U3.11 | length 11.9
  Top Layer w0.3: R32.1@57.494,35.354 58.188,35.354 58.344,35.509 61.9,35.509 62.911,36.52 62.911,40.495 63.352,40.936 U3.11@64.784,40.936
NetR49_1: R49.1 U6.7 | length 4
  Top Layer w0.3: U6.7@129.808,50.981 130.558,50.981 133.071,50.981 133.247,51.157 R49.1@133.247,51.616
NetR50_1: R50.1 U6.6 | length 5.5
  Top Layer w0.3: U6.6@129.726,49.711 131.208,49.711 131.962,50.466 133.366,50.466 133.836,50.935 133.836,51.428 134.036,51.628 R50.1@134.136,51.628
NetR52_1: R52.1 USB1.A5 | length 6.6
  Top Layer w0.3: R52.1@137.515,42.345 137.465,42.345 136.46,43.35 136.46,47.171 136.785,47.497 137.55,47.497 USB1.A5@137.596,47.542
NetR55_1: R55.1 USB1.B5 | length 7.5
  Top Layer w0.3: USB1.B5@138.945,50.092 138.974,50.121 139.917,50.121 140.321,50.525 140.321,54.994 139.813,55.502 139.166,55.502 R55.1@139.115,55.553
NetR57_1: R57.1 U6.11 | length 7.8
  Top Layer w0.3: R57.1@116.09,46.028 117.159,46.028 118.642,47.511 118.642,49.028 119.325,49.711 U6.11@121.508,49.711
NetR58_1: R58.1 U6.10 | length 11.7
  Top Layer w0.3: R58.1@116.09,44.885 115.594,44.885 115.34,45.139 115.34,46.615 115.515,46.79 117.159,46.79 118.134,47.765 118.134,50.219 118.896,50.981 U6.10@121.508,50.981
OVERCURRENT: C33.2 OC.1 R15.2 U1.4 U7.13 | length 53
  Top Layer w0.3: v1(72.034,35.56) 72.034,35.115 C33.2@72.199,34.95 ; v1@72.048,35.573 72.041,35.58 72.041,36.315 R15.2@72.048,36.322 72.048,37.663 72.248,37.863 U1.4@72.535,37.863 ; v1(99.797,34.62) 99.835,34.658 99.835,34.989 103.383,38.537 103.383,41.56 104.267,42.443 v1(104.267,43.967) ; v1(110.007,49.733) 110.566,50.291 U7.13@110.566,51.635
  Bottom Layer w0.3: v1(72.034,35.56) 72.625,34.969 94.659,34.969 OC.1@94.767,35.077 94.936,35.077 95.393,34.62 v1(99.797,34.62) ; v1(104.267,43.967) v1@110.007,49.708
QUAD_A: C26.2 R60.1 R65.2 U7.28 | length 111.8
  Top Layer w0.3: C26.2@13.894,35.561 14.121,35.788 R60.1@14.121,38.863 v1(14.871,38.863) ; v1(99.211,49.711) 100.137,49.711 101.063,48.785 U7.28@103.716,48.785
  Bottom Layer w0.3: v1(14.871,38.863) 14.236,39.498 14.236,41.911 14.744,42.419 14.744,45.944 15.964,47.164 34.348,47.164 36.461,49.277 37.762,49.277 45.209,56.724 62.456,56.724 64.453,58.721 68.136,58.721 68.707,59.292 72.903,59.292 74.435,60.825 80.946,60.825 92.059,49.711 v1(99.211,49.711)
QUAD_B: C27.2 R62.1 R64.2 U7.27 | length 105.9
  Top Layer w0.3: v1(13.728,45.721) 13.728,44.656 C27.2@13.806,44.578 14.121,44.263 R62.1@14.121,41.403 ; v1(97.013,50.385) 100.301,50.385 101.4,49.285 U7.27@103.716,49.285
  Bottom Layer w0.3: v1(13.728,45.721) 15.633,47.626 34.206,47.626 36.428,49.849 37.729,49.849 45.032,57.151 62.28,57.151 64.286,59.158 67.969,59.158 68.53,59.719 72.726,59.719 74.275,61.268 81.137,61.268 92.02,50.385 v1(97.013,50.385)
QUAD_BTN: P4.4 R61.1 U7.41 | length 117.2
  Top Layer w0.3: R61.1@14.121,40.133 v1(14.871,40.133) ; v1(105.853,49.266) 105.853,46.521 107.213,45.161 107.213,44.653 107.066,44.505 U7.41@107.066,43.435
  Bottom Layer w0.3: P4.4@18.046,40.133 v1(14.871,40.133) 15.887,41.149 15.887,45.88 16.317,46.31 35.399,46.31 45.386,56.297 62.633,56.297 64.63,58.294 68.313,58.294 68.884,58.865 73.08,58.865 74.594,60.379 80.781,60.379 91.994,49.166 99.411,49.166 99.511,49.266 v1(105.853,49.266)
RESETb: OLED1.3 P5.10 R69.1 U7.26 | length 103.2
  Top Layer w0.3: v1(79.437,58.396) 81.52,58.396 83.705,60.58 v1(99.834,60.58) ; R69.1@100.912,56.798 100.708,57.001 100.556,56.849 v1(99.376,56.849) 98.741,56.214 98.741,51.667 99.172,51.235 100.392,51.235 101.842,49.785 U7.26@103.766,49.785
  Bottom Layer w0.3: OLED1.3@40.476,35.125 43.796,38.445 43.796,51.151 47.234,54.589 63.341,54.589 64.86,56.108 74.254,56.108 76.542,58.396 v1(79.437,58.396) ; v1(99.376,56.849) 99.376,60.122 v1(99.834,60.58) 100.649,61.395 106.742,61.395 P5.10@108.012,60.125
SCL: OLED1.5 R68.1 SCL.1 U7.29 | length 84.4
  Top Layer w0.3: R68.1@81.635,56.389 81.687,56.337 83.942,56.337 83.944,56.339 v1(84.035,56.339) ; v1(100.1,48.522) 100.2,48.522 100.437,48.285 U7.29@103.766,48.285
  Bottom Layer w0.3: OLED1.5@40.476,40.045 41.515,41.084 41.515,42.314 42.099,42.898 42.099,51.266 46.703,55.87 62.81,55.87 64.779,57.839 SCL.1@69.493,57.839 70.423,57.839 71.009,58.426 73.245,58.426 74.771,59.952 80.421,59.952 91.752,48.622 98.851,48.622 98.951,48.522 v1(100.1,48.522)
SDA: OLED1.4 R67.1 SDA.1 U7.30 | length 85.8
  Top Layer w0.3: R67.1@81.635,55.246 83.578,55.246 v1(83.603,55.221) ; v1(99.592,47.933) 99.63,47.895 100.223,47.895 100.333,47.785 U7.30@103.766,47.785
  Bottom Layer w0.3: OLED1.4@40.476,37.665 40.661,37.851 41.414,37.851 43.369,39.805 43.369,51.328 47.057,55.016 63.164,55.016 64.683,56.535 73.269,56.535 SDA.1@74.573,57.839 75.742,59.009 79.815,59.009 v1(83.603,55.221) 91.097,47.727 97.098,47.727 97.257,47.568 98.503,47.568 98.869,47.933 v1(99.592,47.933)
SEL_BTN: R48.1 S1.2 U7.44 | length 11.3
  Top Layer w0.3: U7.44@108.566,43.435 108.566,42.121 110.524,40.162 111.043,40.162 R48.1@111.149,40.057 111.349,40.257 111.349,40.634 111.524,40.809 113.625,40.809 114.567,39.867 S1.2@116.726,39.867
  Bottom Layer w0.3: S1.2@116.726,39.867 S1.2@116.788,39.805
SPARE1: T1.1 U7.21 | length 14.1
  Top Layer w0.3: v1(106.528,53.238) 106.566,53.2 U7.21@106.566,51.635
  Bottom Layer w0.3: T1.1@97.18,52.273 98.933,50.521 99.492,50.521 100.228,49.784 104.294,49.784 104.47,49.96 104.47,51.156 106.528,53.213 v1(106.528,53.238)
SWD_CLK: P5.4 U7.17 | length 19.7
  Top Layer w0.3: v1(107.991,56.806) 108.566,56.231 U7.17@108.566,51.635
  Bottom Layer w0.3: P5.4@104.202,60.125 103.445,60.882 101.107,60.882 100.346,60.122 100.346,58.829 102.37,56.806 v1(107.991,56.806)
SWD_DIO: P5.2 U7.20 | length 14.5
  Top Layer w0.3: v1(104.418,57.458) 104.422,57.454 104.803,57.454 107.066,55.191 U7.20@107.066,51.585
  Bottom Layer w0.3: P5.2@102.932,60.125 102.754,60.125 102.426,60.453 101.526,60.453 100.885,59.812 100.885,59.169 102.595,57.458 v1(104.418,57.458)
SWD_Rx: P5.8 U7.18 | length 9
  Top Layer w0.3: P5.8@106.742,60.125 106.792,60.075 106.792,56.862 108.066,55.588 U7.18@108.066,51.635
SWD_Tx: P5.6 U7.19 | length 9.4
  Top Layer w0.3: P5.6@105.472,60.125 106.336,59.261 106.336,56.556 107.566,55.326 U7.19@107.566,51.585
USBD_N: R57.2 U7.4 | length 2.9
  Top Layer w0.3: U7.4@111.866,46.285 114.367,46.285 114.59,46.062 R57.2@114.59,46.028
USBD_P: R58.2 U7.3 | length 3.1
  Top Layer w0.3: U7.3@111.874,45.777 113.559,45.777 114.128,45.208 114.367,45.208 114.59,44.985 R58.2@114.59,44.885
USBD_R_N: R50.2 USB1.A7 USB1.B7 Z8.3 | length 10.1
  Top Layer w0.3: R50.2@134.136,53.128 134.236,53.128 134.436,53.328 134.436,53.6 134.611,53.775 135.159,53.775 135.523,53.411 Z8.3@135.523,49.947 ; Z8.3@135.015,49.947 135.19,49.772 Z8.3@135.374,49.772 ; Z8.3@135.308,49.706 135.381,49.633 136.284,49.633 136.629,49.288 137.55,49.288 USB1.A7@137.596,49.242 USB1.B7@138.945,48.392
  Bottom Layer w0.3: USB1.A7@137.419,49.242 USB1.A7@137.596,49.242
USBD_R_P: R49.2 USB1.A6 USB1.B6 Z8.1 | length 12.1
  Top Layer w0.3: R49.2@132.993,53.128 133.055,53.128 133.255,52.928 133.255,52.554 133.43,52.378 134.722,52.378 134.969,52.131 134.969,51.055 134.403,50.489 134.403,48.248 134.579,48.072 135.174,48.072 Z8.1@135.374,47.872 ; Z8.1@135.252,47.872 135.381,48.002 136.274,48.002 136.624,48.352 137.555,48.352 USB1.A6@137.596,48.392
  Bottom Layer w0.3: USB1.A6@137.534,48.454 USB1.A6@137.596,48.392 USB1.B6@138.945,49.242
Vdd1: C23.2 U6.3 U6.4 U6.5 | length 11.7
  Top Layer w0.3: U6.3@130.508,45.901 128.421,45.901 128.167,46.155 128.167,47.108 ; U6.4@130.508,47.171 128.23,47.171 128.167,47.108 ; U6.5@130.508,48.441 128.548,48.441 128.167,48.06 128.167,47.108 ; U6.3@130.889,45.901 132.32,45.901 132.993,46.574 C23.2@132.993,46.624
Vnn: C9.2 Q11.1 Q11.2 Q11.3 Q12.1 Q12.2 Q12.3 R14.2 R16.1 Vnn.1 Z7.3 | length 64.7
  Top Layer w0.3: R14.2@67.029,37.797 67.184,37.641 67.184,25.031 68.846,23.369 68.846,17.178 73.754,12.27 80.199,12.27 80.834,12.905 92.864,12.905 93.04,13.08 93.04,13.097 93.484,13.54 R16.1@93.484,13.946
  Bottom Layer w2: R16.1@93.484,13.946 99.529,13.946 ; 99.503,13.921 99.529,13.946 ; v2@104.837,19.255 99.529,13.946
  Bottom Layer w3: v2(104.71,20.144) 106.887,20.144
  other v2: 104.71,19.382 105.98,19.382 107.25,19.382 105.981,20.143 107.25,20.143 104.71,20.906 105.981,20.906 107.25,20.906
Vpp: Q1.1 Q1.3 Q2.1 Q2.3 Q9.1 Q9.2 Q9.3 Q10.1 Q10.2 Q10.3 R1.2 R2.2 R3.2 R4.2 R38.1 Vpp.1 Z1.K Z2.K Z3.K Z4.K Z6.3 | length 83.2
  Top Layer w0.3: 119.011,33.402 R38.1@119.011,35.094
  Top Layer w0.6: Q9.3@114.87,27.965 114.87,30.264 ; Q9.2@116.14,27.965 116.14,30.264 ; Q9.1@117.41,27.965 117.41,29.719 ; Q10.3@126.046,27.965 126.046,30.264 ; Q10.2@127.316,27.965 127.316,30.264 ; Q10.1@128.586,27.965 128.586,30.264
  Bottom Layer w2: 53.976,17.4 85.976,17.4 ; v2(95.528,18.85) 98.032,18.85 103.288,24.106 110.984,24.106 Vpp.1@117.947,31.069 ; Vpp.1@117.995,31.069 122.464,31.069 126.758,31.069
  other v2: 55.396,17.58 56.285,17.58 94.639,17.834 95.528,17.834 55.396,18.596 56.285,18.596 94.639,18.85 55.396,19.612 56.285,19.612 94.639,19.866 95.528,19.866 94.702,22.356 95.591,22.356 55.408,22.432 56.297,22.432 94.702,23.372 95.591,23.372 55.409,23.448 56.297,23.448 94.702,24.388 95.591,24.388 55.409,24.463 56.297,24.463 120.432,30.661 121.448,30.661 122.464,30.661 126.046,30.661 127.062,30.661 120.432,31.55 121.448,31.55 122.464,31.55 126.046,31.55 127.062,31.55
VrefH: C29.2 R66.2 U7.10 U8.1 | length 8.8
  Top Layer w0.3: U7.10@111.866,49.285 112.816,49.285 113.243,49.285 114.081,50.123 114.217,50.123 114.35,50.257 C29.2@114.35,50.685 ; R66.2@112.661,54.537 113.667,54.537 114.644,53.56 114.644,53.285 C29.2@114.644,50.5 ; C29.2@114.617,50.473 C29.2@114.644,50.5 ; C29.2@114.644,50.473 C29.2@114.644,50.5
XTAL: U7.25 Y1.1 | length 4
  Top Layer w0.3: Y1.1@101.716,52.685 102.104,52.297 102.104,50.504 102.322,50.285 U7.25@103.716,50.285
XTAL32: U7.14
pads on no net: P1.0 P2.0 Q13.1 Q13.2 Q13.3 Q14.1 Q14.2 Q14.3 R44.1 R44.2 R45.1 R45.2 R46.1 R46.2 R47.1 R47.2 S1.2b S2.2b S3.2b SP1.0 SP2.0 SP3.0 SP4.0 U5.4 U5.8 U8.3 USB1.A8 USB1.B8 Z5.2 Z8.4 Z8.6
copper on no net:
  other v3: 78.511,35.992

## Polygon pours and split planes (outlines as drawn)
GND on Top Layer "Top Layer-GND" (solid, remove dead copper, pour order 23): 21.348,62.416 21.348,61.596 18.935,59.183 8.976,59.183 8.976,8.51 39.317,8.51 39.976,7.852 39.976,1.617 53.987,1.617 53.987,9.145 55.003,10.161 78.117,10.161 79.768,8.51 79.768,1.617 93.865,1.617 93.865,6.732 95.516,8.383 138.938,8.383 138.986,40.821 126.516,40.821 126.516,62.416
Vnn on Top Layer "Top Layer-PGND 1" (solid, remove dead copper, pour order 22): 103.263,16.311 101.104,14.152 101.104,8.563 110.783,8.563 110.806,8.541 139.095,8.541 139.095,34.217 110.141,34.217 103.263,27.274
Gnd_USB on Top Layer "GND_USB_L01_P021" (solid, remove dead copper, pour order 21): 143.33,57.458 143.33,41.202 127.024,41.202 127.024,57.458
-9V on Top Layer "Top Layer -9V" (solid, pour order 19): 47.027,54.649 50.976,54.649 50.976,48.649 42.976,48.649 42.976,54.649
CH1a_Htr+ on Top Layer "Top Layer-CH1a_Htr+" (solid, pour order 16): 70.128,23.405 72.124,25.401 88.531,25.401 88.531,21.058 70.128,21.058
CH2a_Htr+ on Top Layer "Top Layer-CH2a_Htr+" (solid, remove dead copper, pour order 10): 30.885,23.405 32.881,25.401 49.288,25.401 49.288,20.956 30.885,20.956
Vpp on Top Layer "Top Layer-Vpp3" (solid, pour order 6): 49.542,28.121 49.542,16.183 56.831,16.183 56.831,28.121
Vpp on Top Layer "Top Layer-Vpp2" (solid, pour order 4): 96.331,16.869 95.594,16.133 95.591,16.133 88.088,16.133 88.088,27.867 96.331,27.867
AC24a on Top Layer "Top Layer-AC24a" (solid, pour order 2): 112.261,23.319 121.17,23.319 121.17,16.638 112.261,16.638
AC24b on Top Layer "Top Layer-AC24b" (solid, pour order 1): 121.17,23.319 130.212,23.319 130.212,16.638 121.17,16.638
Vpp on Top Layer "Top Layer-Vpp1" (solid, pour order 3): 129.818,27.541 112.965,27.541 112.965,34.217 129.818,34.217
CH2b_Htr+ on Top Layer "Top Layer-CH2b_Htr+" (solid, remove dead copper, pour order 8): 30.885,18.507 32.881,16.511 49.288,16.511 49.288,20.956 30.885,20.956
CH1b_Htr+ on Top Layer "Top Layer-CH1b_Htr+" (solid, pour order 15): 70.128,18.507 72.124,16.511 88.531,16.511 88.531,20.956 70.128,20.956
GND on Bottom Layer "Bottom Layet = Gnd" (solid, remove dead copper, pour order 18): 8.976,58.675 20.078,58.675 20.84,59.437 20.84,61.088 22.11,62.416 126.516,62.416 126.516,40.821 138.976,40.821 138.975,8.51 95.77,8.51 93.738,6.478 93.738,1.617 79.641,1.617 79.641,8.764 77.863,10.542 55.257,10.542 53.479,8.764 53.479,1.617 40.017,1.617 40.017,7.367 39.128,8.256 8.976,8.256
Gnd_USB on Bottom Layer "GND_USB_L02_P020" (solid, remove dead copper, pour order 20): 127.024,57.585 143.305,57.585 143.305,41.202 127.024,41.202

## Keep-outs
Keep-Out Layer:
  lines w0.2: 7.976,34.817 cw(c7.976,37.617) 7.976,40.417 ; 8.976,33.817 8.976,11.617 ccw(c11.976,11.617) 11.976,8.617 21.69,8.617 ccw(c21.69,9.755) 22.827,9.755 cw(c23.927,9.755) 23.927,10.855 ; 8.976,41.417 8.976,55.617 cw(c11.976,55.617) 11.976,58.617 ; 12.012,58.617 20.176,58.617 21.176,59.617 cw(c23.976,59.617) 24.049,62.416 123.976,62.432 ; 23.927,10.852 36.976,10.852 cw(c36.976,7.852) 39.976,7.852 39.976,4.617 ; 123.976,62.417 cw(c123.976,59.617) 126.776,59.617 127.776,58.617 140.305,58.617 ; 138.976,33.817 138.976,11.617 cw(c135.976,11.617) 135.976,8.617 95.976,8.617 ccw(c95.976,5.617) 92.976,5.617 92.976,4.617 cw(c89.976,4.617) 89.976,1.617 82.976,1.617 cw(c82.976,4.617) 79.976,4.617 ; 139.976,34.817 ccw(c139.976,37.617) 142.776,37.617 143.33,38.172 ; 140.305,58.604 cw(c140.305,55.604) 143.305,55.604 ; 143.315,38.172 143.315,55.604 ; 39.976,4.617 ccw(c42.976,4.617) 42.976,1.617 49.976,1.617 ccw(c49.976,4.617) 52.976,4.617 52.976,7.852 cw(c55.976,7.852) 55.976,10.852 76.976,10.852 cw(c76.976,7.852) 79.976,7.852 79.976,4.617 ; 39.976,4.617 39.976,4.617 ; 79.976,4.617 79.976,4.617 ; 19.443,29.719 19.443,45.467 35.953,45.467 35.953,29.719 19.443,29.719
  lines w0.3: 7.976,34.817 8.976,33.817 ; 7.976,40.417 8.976,41.417 ; 138.976,33.817 139.976,34.817
  lines w0.508: 20.332,44.451 34.048,30.735 ; 21.094,30.862 34.556,44.324

## Other copper
Bottom Layer:
  rectangle net Vpp: 82.866,16.613 96.963,24.819
  rectangle net Vpp: 44.208,16.562 56.908,24.995

## Silkscreen, mask and mechanical layers (free items; w line width, h text height)
Top Overlay:
  lines w0.254: 79.768,13.87 84.365,13.87 ; 87.388,13.844 91.985,13.844
  lines w0.3: 114.82,35.687 114.82,36.577
  lines w0.508: 126.758,57.405 126.758,41.022 142.887,41.022
  text "SET-BACK" at 76.161,60.809 h1.02
  text "16VAC C.T." at 44.512,60.784 h1.02
  text "Version" at 82.955,47.806 h1.52
  text ".Version" at 93.877,47.806 h1.52
  text "Cut Out" at 23.507,37.593 h1.52
  text "8A" at 134.402,21.695 h1.52 r90
  text "24VAC" at 103.923,19.712 h1.02
  text "CH #2" at 29.425,15.318 h1.02
  text "CH #1" at 69.811,15.318 h1.02
Bottom Overlay:
  lines w0.15: 71.976,51.617 75.976,51.617 ; 73.976,49.617 73.976,53.617
  lines w0.508: 126.758,57.405 126.758,41.022 142.887,41.022
  text "CH #2" at 48.817,8.005 h1.02
  text "CH #1" at 88.797,7.624 h1.02
Top Solder:
  rectangle: 9.029,16.384 15.766,33.529
Bottom Solder:
  rectangle: 9.029,16.257 15.766,33.529
Mechanical 1:
  lines w0.2: 1.56,37.621 144.08,37.621 ; 14.072,12.617 97.561,12.617 ; 38.583,4.118 97.815,4.118

## Text inside footprints (layer, text, board x,y; h text height)
BR1: Top Overlay "-" at 39.247,60.121 h1.5 r270; Top Overlay "+" at 39.147,57.821 h1.5 r270; Top Overlay "~" at 35.947,57.921 h1.5 r270; Top Overlay "~" at 36.047,60.221 h1.5 r270
JLC_Serial_Number1: Top Overlay "JLCJLCJLCJLC" at 116.648,9.325 h0.8
Logo1: Top Overlay "OSHW" at 11.518,10.212 h0.76; Top Overlay "o" at 14.972,7.596 h10.16
OLED1: Bottom Overlay "SDA" at 41.976,38.117 h1.02 r180; Bottom Overlay "SCL" at 41.976,40.617 h1.02 r180; Bottom Overlay "Vcc" at 41.976,43.117 h1.02 r180; Bottom Overlay "Gnd" at 41.976,45.617 h1.02 r180; Bottom Overlay "CS" at 41.976,30.497 h1.02 r180; Bottom Overlay "DC" at 41.976,33.069 h1.02 r180; Bottom Overlay "RES" at 41.976,35.569 h1.02 r180